# Altium PCB Flow_Pump.PcbDoc (part 1 of 5)
Units mm, origin at the board's own origin, x right, y up, seen from the top; angles counter-clockwise.
Board outline 203 x 203 mm, 2 copper layers (Top Layer, Bottom Layer); 257 components, 182 nets, 857 pads, 2320 vias.
Unrouted connection lines stored in the file: 1.
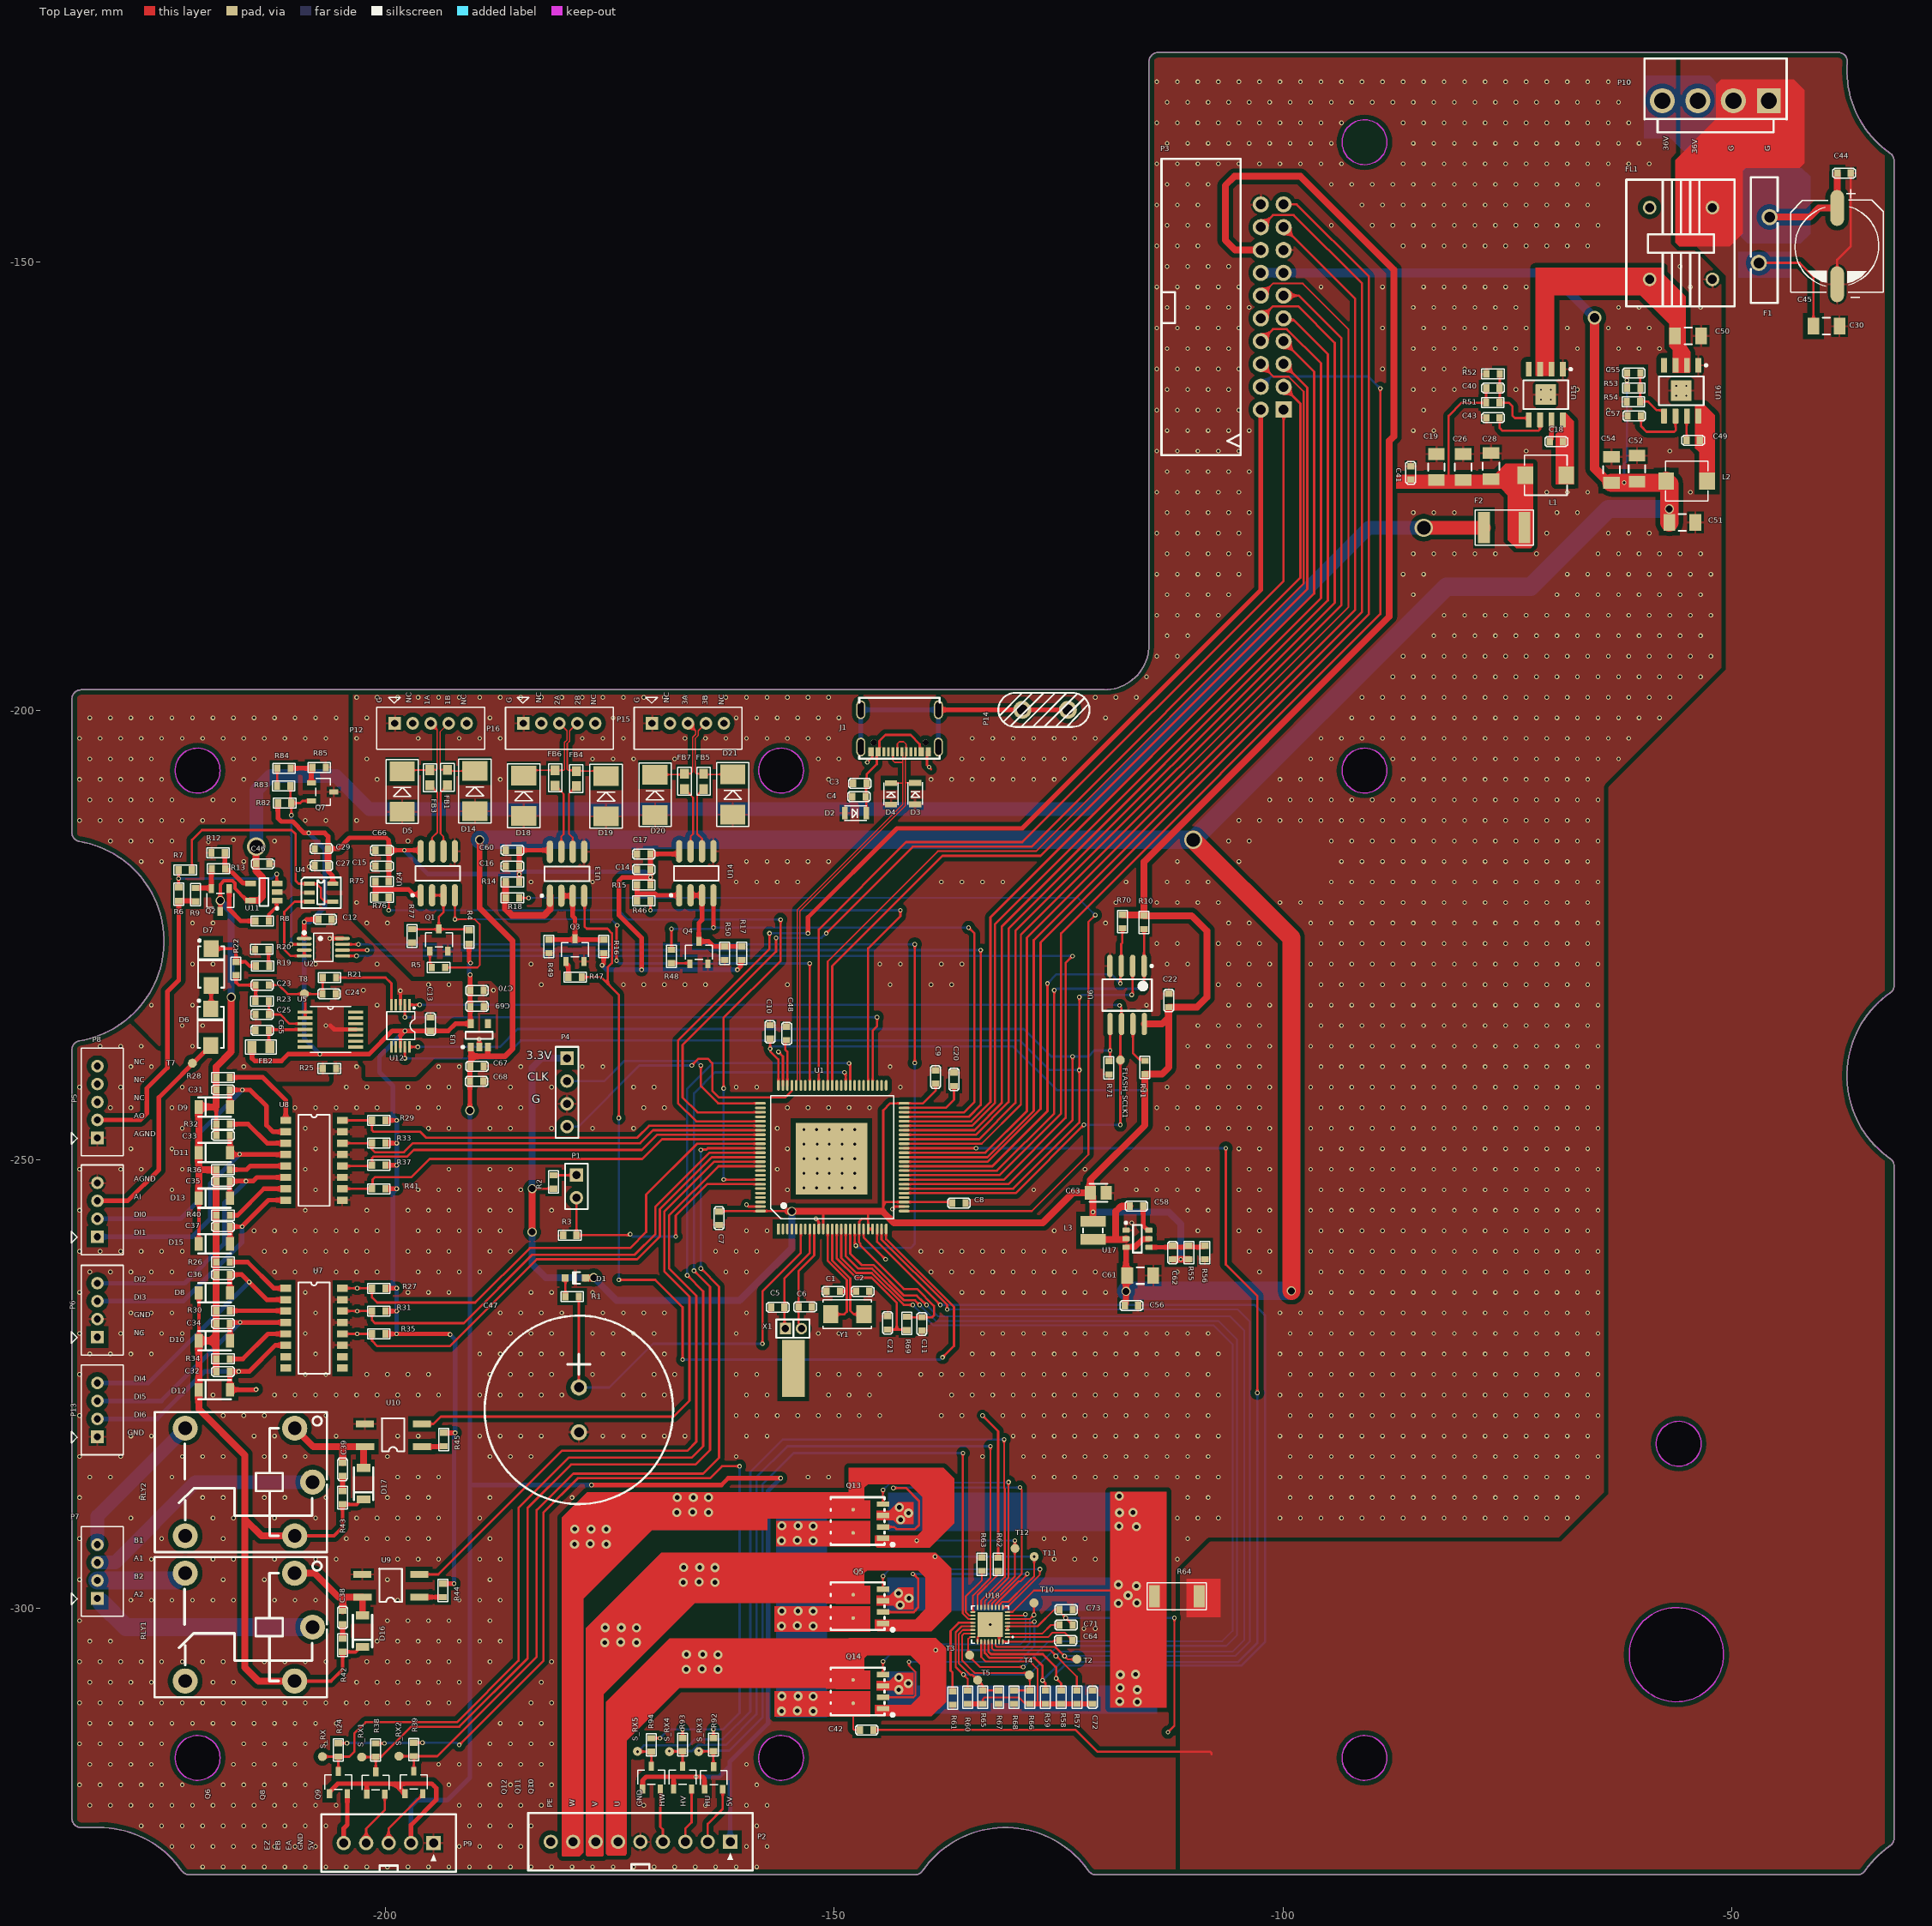
[diagram p0: Top Layer view]
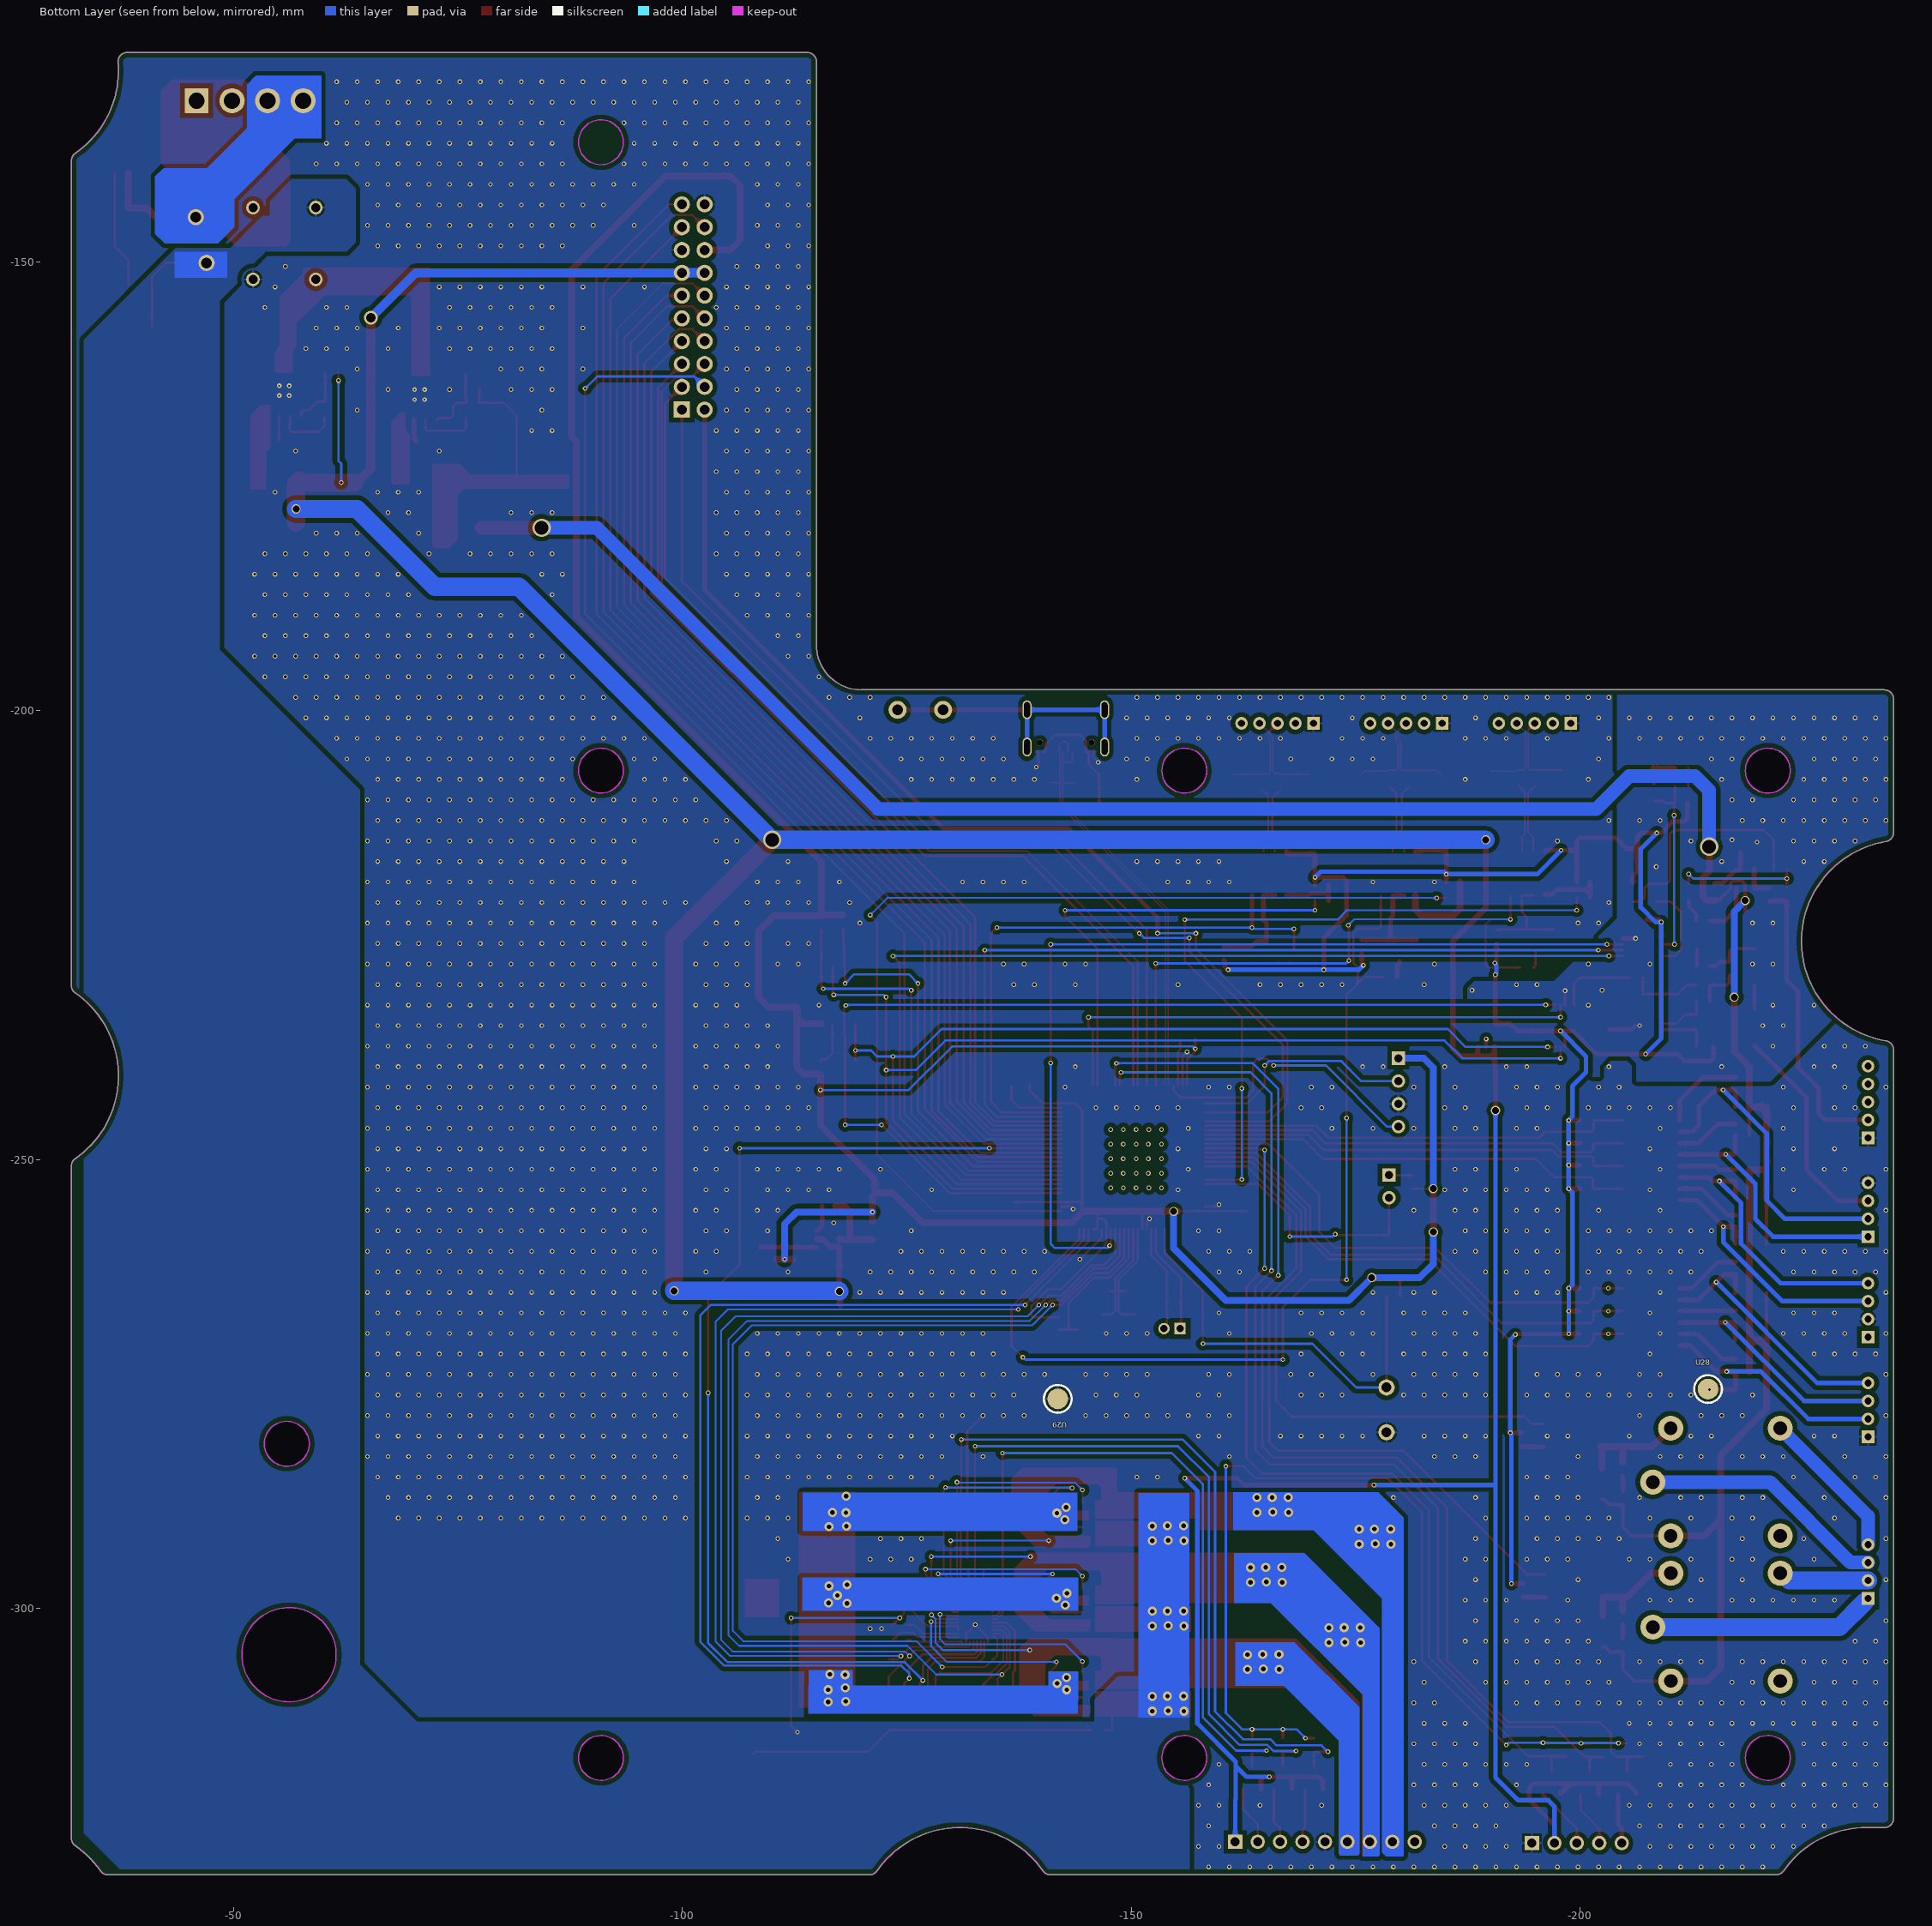
[diagram p1: Bottom Layer view, seen from below]

## Layer stack, top to bottom
Top Solder: solder mask 0.0102, Solder Resist, Dk 3.5
Top Layer: signal copper 0.0356
Dielectric 1: dielectric 0.32, FR-4, Dk 4.8
Bottom Layer: signal copper 0.0356
Bottom Solder: solder mask 0.0102, Solder Resist, Dk 3.5

## Board outline
-233.915,-324.421 -231.915,-324.421 cw(c-231.915,-335.671) -222.683,-329.242 ccw(c-221.862,-328.671) -221.862,-329.671 -140.968,-329.671 ccw(c-140.968,-328.671) -140.147,-329.242 cw(c-130.915,-335.671) -121.683,-329.242 ccw(c-120.862,-328.671) -120.862,-329.671 -35.968,-329.671 ccw(c-35.968,-328.671) -35.147,-329.242 cw(c-25.915,-335.671) -32.343,-326.438 ccw(c-32.915,-325.618) -31.915,-325.618 -31.915,-250.724 ccw(c-32.915,-250.724) -32.343,-249.903 cw(c-25.915,-240.671) -32.343,-231.438 ccw(c-32.915,-230.618) -31.915,-230.618 -31.915,-138.724 ccw(c-32.915,-138.724) -32.343,-137.903 cw(c-25.915,-128.671) -37.127,-127.752 ccw(c-38.124,-127.671) -38.124,-126.671 -113.918,-126.671 ccw(c-113.918,-127.671) -114.918,-127.671 -114.918,-192.671 cw(c-119.918,-192.671) -119.918,-197.671 -233.915,-197.671 ccw(c-233.915,-198.671) -234.915,-198.671 -234.915,-213.585 ccw(c-233.915,-213.585) -234.078,-214.572 cw(c-235.915,-225.671) -234.078,-236.77 ccw(c-233.915,-237.756) -234.915,-237.756 -234.915,-323.421 ccw(c-233.915,-323.421)

## Design rules (kind name [scope] priority, off if disabled: settings)
Clearance Clearance_1 [InPolygon] p1: gap=0.508 ignorepadtopadclearanceinfootprint=FALSE
Clearance Clearance_2 [InNet('EARTH')] p2: gap=1.016 ignorepadtopadclearanceinfootprint=FALSE
Clearance [All] p3: gap=0.127 ignorepadtopadclearanceinfootprint=FALSE
DiffPairsRouting [All] p1: maxlimit=0.152 minlimit=0.152 mostfreqgap=0.152 toplayer_minwidth=0.152 toplayer_maxwidth=0.152 toplayer_prefwidth=0.152 bottomlayer_minwidth=0.152 bottomlayer_maxwidth=0.152 bottomlayer_prefwidth=0.152 maxuncoupledlength=12.7
MinimumSolderMaskSliver [All] p1: minsoldermaskwidth=0.127
PolygonConnect PolygonConnect_1 [IsVia] p1: connectstyle=Direct reliefconductorwidth=0.254 reliefentries=4 polygonreliefangle="90 Angle" airgapwidth=0.254
PolygonConnect [All] p2: connectstyle=Relief reliefconductorwidth=0.254 reliefentries=4 polygonreliefangle="90 Angle" airgapwidth=0.254
RoutingVias [All] p1: holewidth=0.711 width=1.27 viastyle="Through Hole" minholewidth=0.711 minwidth=1.27 maxholewidth=0.711 maxwidth=1.27
SilkToSilkClearance [All] p1: silktosilkclearance=0.127
SilkToSolderMaskClearance [IsPad] p1: minsilkscreentomaskgap=0 clearancetoexposedcopper=TRUE
SolderMaskExpansion [All] p1: expansion=0.102 istentingtop=FALSE
Width [All] p1: maxlimit=3.81 minlimit=0.152 preferedwidth=0.254
26 further rules are at their usual default settings.

## Classes and differential pairs
component class ai: C13 C23 C24 C25 C65 D6 D7 FB2 R19 R20 R21 R22 R23 R25 T7 T8 U5 U12
component class ao: C12 C27 C29 C46 Q2 R6 R7 R8 R9 R12 R13 U2 U4 U11
component class blds: C64 C71 C72 C73 Q5 Q13 Q14 R57 R58 R59 R60 R61 R62 R63 R64 R65 R66 R67 R68 T2 T3 T4 T5 U18
component class DI_DO: C14 C15 C16 C17 C31 C32 C33 C34 C35 C36 C37 C38 C39 C60 C66 D5 D8 D9 D10 D11 D12 D13 D14 D15 D16 D17 D18 D19 D20 D21 FB1 FB3 FB4 FB5 FB6 FB7 P5 P6 P7 P8 P12 P13 P15 P16 Q1 Q3 Q4 R4 R5 R14 R15 R16 R17 R18 R26 R27 R28 R29 R30 R31 R32 R33 R34 R35 R36 R37 R40 R41 R42 R43 R44 R45 R46 R47 R48 R49 R50 R75 R76 R77 RLY1 RLY2 U7 U8 U9 U10 U13 U14 U24 U28 U29
component class mcu: C1 C2 C3 C4 C5 C6 C7 C8 C9 C10 C11 C20 C21 C22 C47 C48 D1 D2 D3 D4 FLASH_SCLK1 J1 P1 P3 P4 R1 R2 R3 R10 R11 R69 R70 R71 U1 U6 X1 Y1
component class power: C18 C19 C26 C28 C30 C40 C41 C42 C43 C44 C45 C49 C50 C51 C52 C54 C55 C56 C57 C58 C61 C62 C63 C67 C68 C69 C70 F1 F2 FL1 L1 L2 L3 P10 P14 Q7 R51 R52 R53 R54 R55 R56 R82 R83 R84 R85 U3 U15 U16 U17
component class sensor: P2 P9 Q6 Q8 Q9 Q10 Q11 Q12 R24 R38 R39 R92 R93 R94 S_RX S_RX1 S_RX2 S_RX3 S_RX4 S_RX5 T10 T11 T12
differential pair rs4853: +rs4853_P -rs4853_N
differential pair rs4852: +rs4852_P -rs4852_N
differential pair rs4851: +rs4851_P -rs4851_N
differential pair USB: +USB_P -USB_N

## Components (designator, comment, footprint, x,y, rotation, side; value= is the part's Value field where it differs from the comment)
C1 "20pF/25V/NC" 0603C -149.352,-264.668 r180 top value=20pF/50V/NC
C2 "20pF/25V/NC" 0603C -147.574,-264.668 r0 top value=20pF/50V/NC
C3 "1u/50V" 0603C -147.879,-208.102 r0 top
C4 "0.1uF/50V" 0603C -147.98,-209.55 r0 top
C5 "4.7pF/50V" 0603C -155.524,-266.446 r180 top value=4.7pF
C6 "4.7pF/50V" 0603C -153.975,-266.421 r0 top
C7 "10uF/16V" 0603C -162.814,-255.778 r270 top value=10u
C8 "0.1uF/50V" 0603C -135.355,-254.838 r180 top
C9 "0.1uF/50V" 0603C -138.684,-240.054 r270 top
C10 "0.1uF/50V" 0603C -157.124,-235.026 r270 top
C11 "0.1uF/50V" 0603C -140.208,-269.062 r90 top
C12 "0.1uF/50V" 0603C -207.467,-223.241 r0 top
C13 "0.1uF/50V" 0603C -194.97,-235.663 r90 top
C14 "0.1uF/50V" 0603C -170.458,-217.686 r180 top
C15 "0.1uF/50V" 0603C -199.619,-217.289 r180 top
C16 "0.1uF/50V" 0603C -185.088,-217.314 r180 top
C17 "0.1uF/50V" 0603C -170.458,-215.951 r180 top
C18 "0.1uF/50V" 0603C -70.282,-170.002 r0 top
C19 "47uF/25V" CAPC3216X156N_1206 -82.906,-172.847 r90 top
C20 "2.2uF/50V" 0603C -136.652,-240.308 r270 top
C21 "0.1uF/50V" 0603C -144.043,-267.437 r270 top
C22 "0.1uF/50V" 0603C -112.725,-231.521 r270 top
C23 "220nF/50V" 0603C -214.454,-230.559 r0 top
C24 "0.1uF/50V" 0603C -207.01,-231.546 r0 top
C25 "0.1uF/50V" 0603C -214.462,-233.834 r0 top
C26 "47uF/25V" CAPC3216X156N_1206 -79.908,-172.847 r90 top
C27 "0.01uF/50V" 0603C -206.375,-217.246 r180 top value=0.01u
C28 "47uF/25V" CAPC3216X156N_1206 -76.81,-172.745 r90 top
C29 "0.1uF/50V" 0603C -206.375,-215.367 r180 top
C30 "10u/50V" CAPC3216X156N_1206 -39.446,-157.15 r0 top
C31 "10nF/50V" 0603C -218.832,-242.24 r0 top
C32 "10nF/50V" 0603C -218.832,-273.609 r0 top
C33 "10nF/50V" 0603C -218.832,-247.32 r0 top
C34 "10nF/50V" 0603C -218.832,-268.275 r0 top
C35 "10nF/50V" 0603C -218.832,-252.4 r0 top
C36 "10nF/50V" 0603C -218.832,-262.814 r0 top
C37 "10nF/50V" 0603C -218.832,-257.48 r0 top
C38 "0.1uF/50V" 0603C -204.749,-300.279 r270 top
C39 "0.1uF/50V" 0603C -204.755,-283.764 r270 top
C40 "0.01uF/50V" 0603C -77.344,-164.059 r0 top value=0.01u/NC
C41 "0.1uF/50V" 0603C -85.75,-174.245 r90 top
C42 "0.1uF/50V" 0603C -147.117,-313.538 r0 top
C43 "1uF/50V" 0603C -75.844,-167.361 r180 top
C44 "10uF/16V" 0603C -38.228,-140.106 r0 top
C45 "UUD1V470MCL1GS" Φ10×10 -38.252,-148.234 r0 top value=220uF/50V
C46 "0.1uF/50V" 0603C -214.401,-217.043 r0 top
C47 "CEN5R5155CF-ZG" CAP-TH_BD21.0-P5.00-D0.8_CENXXX-CF -178.435,-277.887 r270 top
C48 "2.2uF/50V" 0603C -155.296,-235.203 r270 top
C49 "0.1uF/50V" 0603C -55.043,-169.875 r0 top
C50 "10u/50V" CAPC3216X156N_1206 -54.864,-158.242 r0 top
C51 "47uF/25V" CAPC3216X156N_1206 -55.499,-179.019 r0 top
C52 "47uF/25V" CAPC3216X156N_1206 -60.554,-173.025 r90 top
C54 "47uF/25V" CAPC3216X156N_1206 -63.398,-173.152 r90 top
C55 "0.01uF/50V" 0603C -61.671,-162.357 r0 top value=0.01u/NC
C56 "0.1uF/50V" 0603C -117.624,-266.277 r0 top
C57 "1uF/50V" 0603C -60.096,-167.157 r180 top
C58 "0.1uF/50V" 0603C -115.564,-255.177 r180 top
C60 "0.1uF/50V" 0603C -185.088,-215.544 r180 top
C61 "10u/50V" CAPC3216X156N_1206 -115.896,-262.924 r0 top
C62 "0.1uF/50V" 0603C -112.268,-261.112 r90 top
C63 "22u/25V" CAPC2012X127N_0805 -120.569,-253.704 r0 top
C64 "22nF/50V" 0603C -124.944,-303.553 r0 top
C65 "0.1uF/50V" 0603C -212.978,-235.61 r180 top
C66 "0.1uF/50V" 0603C -199.619,-215.544 r180 top
C67 "0.1uF/50V" 0603C -190.551,-239.598 r0 top
C68 "10uF/16V" 0603C -190.576,-241.3 r0 top value=10u
C69 "10uF/16V" 0603C -190.525,-232.943 r0 top value=10u
C70 "0.1uF/50V" 0603C -190.551,-231.165 r0 top
C71 "1uF/50V" 0603C -124.917,-301.852 r0 top
C72 "1uF/50V" 0603C -121.209,-310.642 r90 top
C73 "1uF/50V" 0603C -124.917,-300.124 r0 top
D1 "BZT52C12S-7-F" DIOD-SOD323-2_V -178.841,-263.195 r180 top
D2 "CESDB5V0D3" SOD323 -148.806,-211.404 r0 top
D3 "CESDB5V0D3" SOD323 -140.97,-210.426 r90 top
D4 "CESDB5V0D3" SOD323 -143.662,-210.451 r90 top value=0.1uF/50V
D5 "SMBJ400CA" SMB -198.12,-211.256 r90 top
D6 "SS14" DO-214AC -219.456,-235.255 r90 top
D7 "SS14" DO-214AC -219.405,-228.549 r90 top
D8 "LL4148" DO-213AB/LL34/MINIMELF -219.034,-264.846 r0 top
D9 "LL4148" DO-213AB/LL34/MINIMELF -219.034,-244.145 r0 top
D10 "LL4148" DO-213AB/LL34/MINIMELF -219.034,-270.18 r0 top
D11 "LL4148" DO-213AB/LL34/MINIMELF -219.034,-249.225 r0 top
D12 "LL4148" DO-213AB/LL34/MINIMELF -219.034,-275.641 r0 top
D13 "LL4148" DO-213AB/LL34/MINIMELF -219.034,-254.305 r0 top
D14 "SMBJ400CA" SMB -190.017,-211.205 r90 top
D15 "LL4148" DO-213AB/LL34/MINIMELF -219.034,-259.385 r0 top
D16 "LL4148" DO-213AB/LL34/MINIMELF -202.54,-302.539 r90 top
D17 "LL4148" DO-213AB/LL34/MINIMELF -202.413,-286.106 r90 top
D18 "SMBJ400CA" SMB -184.582,-211.713 r90 top
D19 "SMBJ400CA" SMB -175.412,-211.764 r90 top
D20 "SMBJ400CA" SMB -169.951,-211.607 r90 top
D21 "SMBJ400CA" SMB -161.29,-211.586 r90 top
F1 "BH16-800" FUSE-TH_L14.0-W3.0-P5.10-D0.8-LS1.20 -46.38,-147.549 r270 top value=BSMD1812-110-24V
F2 "BSMD1812-110-24V" 1812-F -73.101,-179.603 r180 top
FB1 "PE-0603PFB121ST" FBC0603 -193.091,-208.278 r90 top
FB2 "JWWBW2012 M600HT" 0805R -214.859,-237.465 r0 top
FB3 "PE-0603PFB121ST" FBC0603 -195.021,-208.304 r90 top
FB4 "PE-0603PFB121ST" FBC0603 -178.714,-208.405 r90 top
FB5 "PE-0603PFB121ST" FBC0603 -164.541,-208.71 r90 top
FB6 "PE-0603PFB121ST" FBC0603 -181.077,-208.329 r90 top
FB7 "PE-0603PFB121ST" FBC0603 -166.675,-208.71 r90 top
FL1 "XRSQ1010-10MH-H" IND-TH_4P-L14.0-W12.0_XRSQ1010-10MH-H -55.646,-147.942 r270 top
FLASH_SCLK1 "TP" TPD#1 -118.11,-238.906 r270 top
J1 "TYPE C_16P" TYPEC_16P -142.7,-200.279 r180 top
L1 "SMMS0420-100M" IND-SMD_L4.5-W4.5_SMMS0420 -70.714,-173.761 r0 top
L2 "SMMS0420-100M" IND-SMD_L4.5-W4.5_SMMS0420 -55.016,-174.396 r0 top
L3 "WPN252012H2R2MTY01" PULS-BDCD00252012_V -121.153,-257.895 r90 top value=BDCD002520122R2MS1
P1 "Header 2" HDR1X2 -178.714,-251.714 r270 top
P2 "WAFER-XH2.54-9PZZ" XA2.5-9P -171.577,-326.009 r0 top
P3 "BH254V-20P" IDC-TH_20P-L33.0-W13.8-H-M-R2-C10-P2.54-S2.54-TR -101.194,-155.016 r270 top
P4 "PZ254V-11-04P" HDR1X4 -179.756,-238.709 r270 top
P5 "WAFER-PH2.0-4PZZ" CONN#PH2.0-4A -232.08,-258.6 r0 top
P6 "WAFER-PH2.0-4PZZ" CONN#PH2.0-4A -232.08,-269.776 r0 top
P7 "WAFER-PH2.0-4PZZ" CONN#PH2.0-4A -232.08,-298.891 r0 top
P8 "WAFER-PH2.0-5PZZ" CONN#PH2.0-5A -232.08,-247.583 r0 top
P9 "WAFER-XH2.54-5PZZ" XA2.5-5P -199.633,-326.145 r0 top
P10 "B4P-VH(LF)(SN)" CONN-TH_4P-P3.96_HX-VH3.96-4P-ZZ -51.794,-132.029 r180 top
P12 "WAFER-PH2.0-5PZZ" CONN#PH2.0-5A -198.945,-201.397 r270 top
P13 "WAFER-PH2.0-4PZZ" CONN#PH2.0-4A -232.08,-280.888 r0 top
P14 "Header 2" 插片端子4.8*0.8mm -123.952,-199.898 r180 top
P15 "WAFER-PH2.0-5PZZ" CONN#PH2.0-5A -170.282,-201.397 r270 top
P16 "WAFER-PH2.0-5PZZ" CONN#PH2.0-5A -184.613,-201.397 r270 top
Q1 "MMBT3904" SOT23-3 -195.031,-226.807 r270 top
Q2 "S8050" SOT23-3 -217.389,-219.826 r90 top
Q3 "MMBT3904" SOT23-3 -179.876,-227.914 r270 top
Q4 "MMBT3904" SOT23-3 -166.065,-228.194 r270 top
Q5 "AGM609MNA" DFN-8_L5.5-W5.2-P1.27-LS6.0-BL-EP2 -146.219,-299.779 r90 top
Q6 "SI2306" SOT23-3 -206.232,-320.666 r270 top
Q7 "TLV431BQDBZR" SOT23-3 -208.24,-208.042 r180 top
Q8 "SI2306" SOT23-3 -202.067,-320.717 r270 top
Q9 "SI2306" SOT23-3 -197.825,-320.641 r270 top
Q10 "SI2306" SOT23-3 -164.414,-320.147 r270 top
Q11 "SI2306" SOT23-3 -167.878,-320.107 r270 top
Q12 "SI2306" SOT23-3 -171.36,-320.107 r270 top
Q13 "AGM609MNA" DFN-8_L5.5-W5.2-P1.27-LS6.0-BL-EP2 -146.219,-290.292 r90 top
Q14 "AGM609MNA" DFN-8_L5.5-W5.2-P1.27-LS6.0-BL-EP2 -146.219,-309.266 r90 top
R1 "1K/1%1" 0603R -179.934,-265.252 r0 top
R2 "10k/1%" 0603R -181.254,-253.239 r90 top
R3 "100k/1%" 0603R -178.689,-258.418 r180 top
R4 "10K/1%" 0603R -190.678,-224.46 r270 top